# Altium PCB OCP-TimeCardMini-TI_V1.PcbDoc (part 1 of 11) (continued)
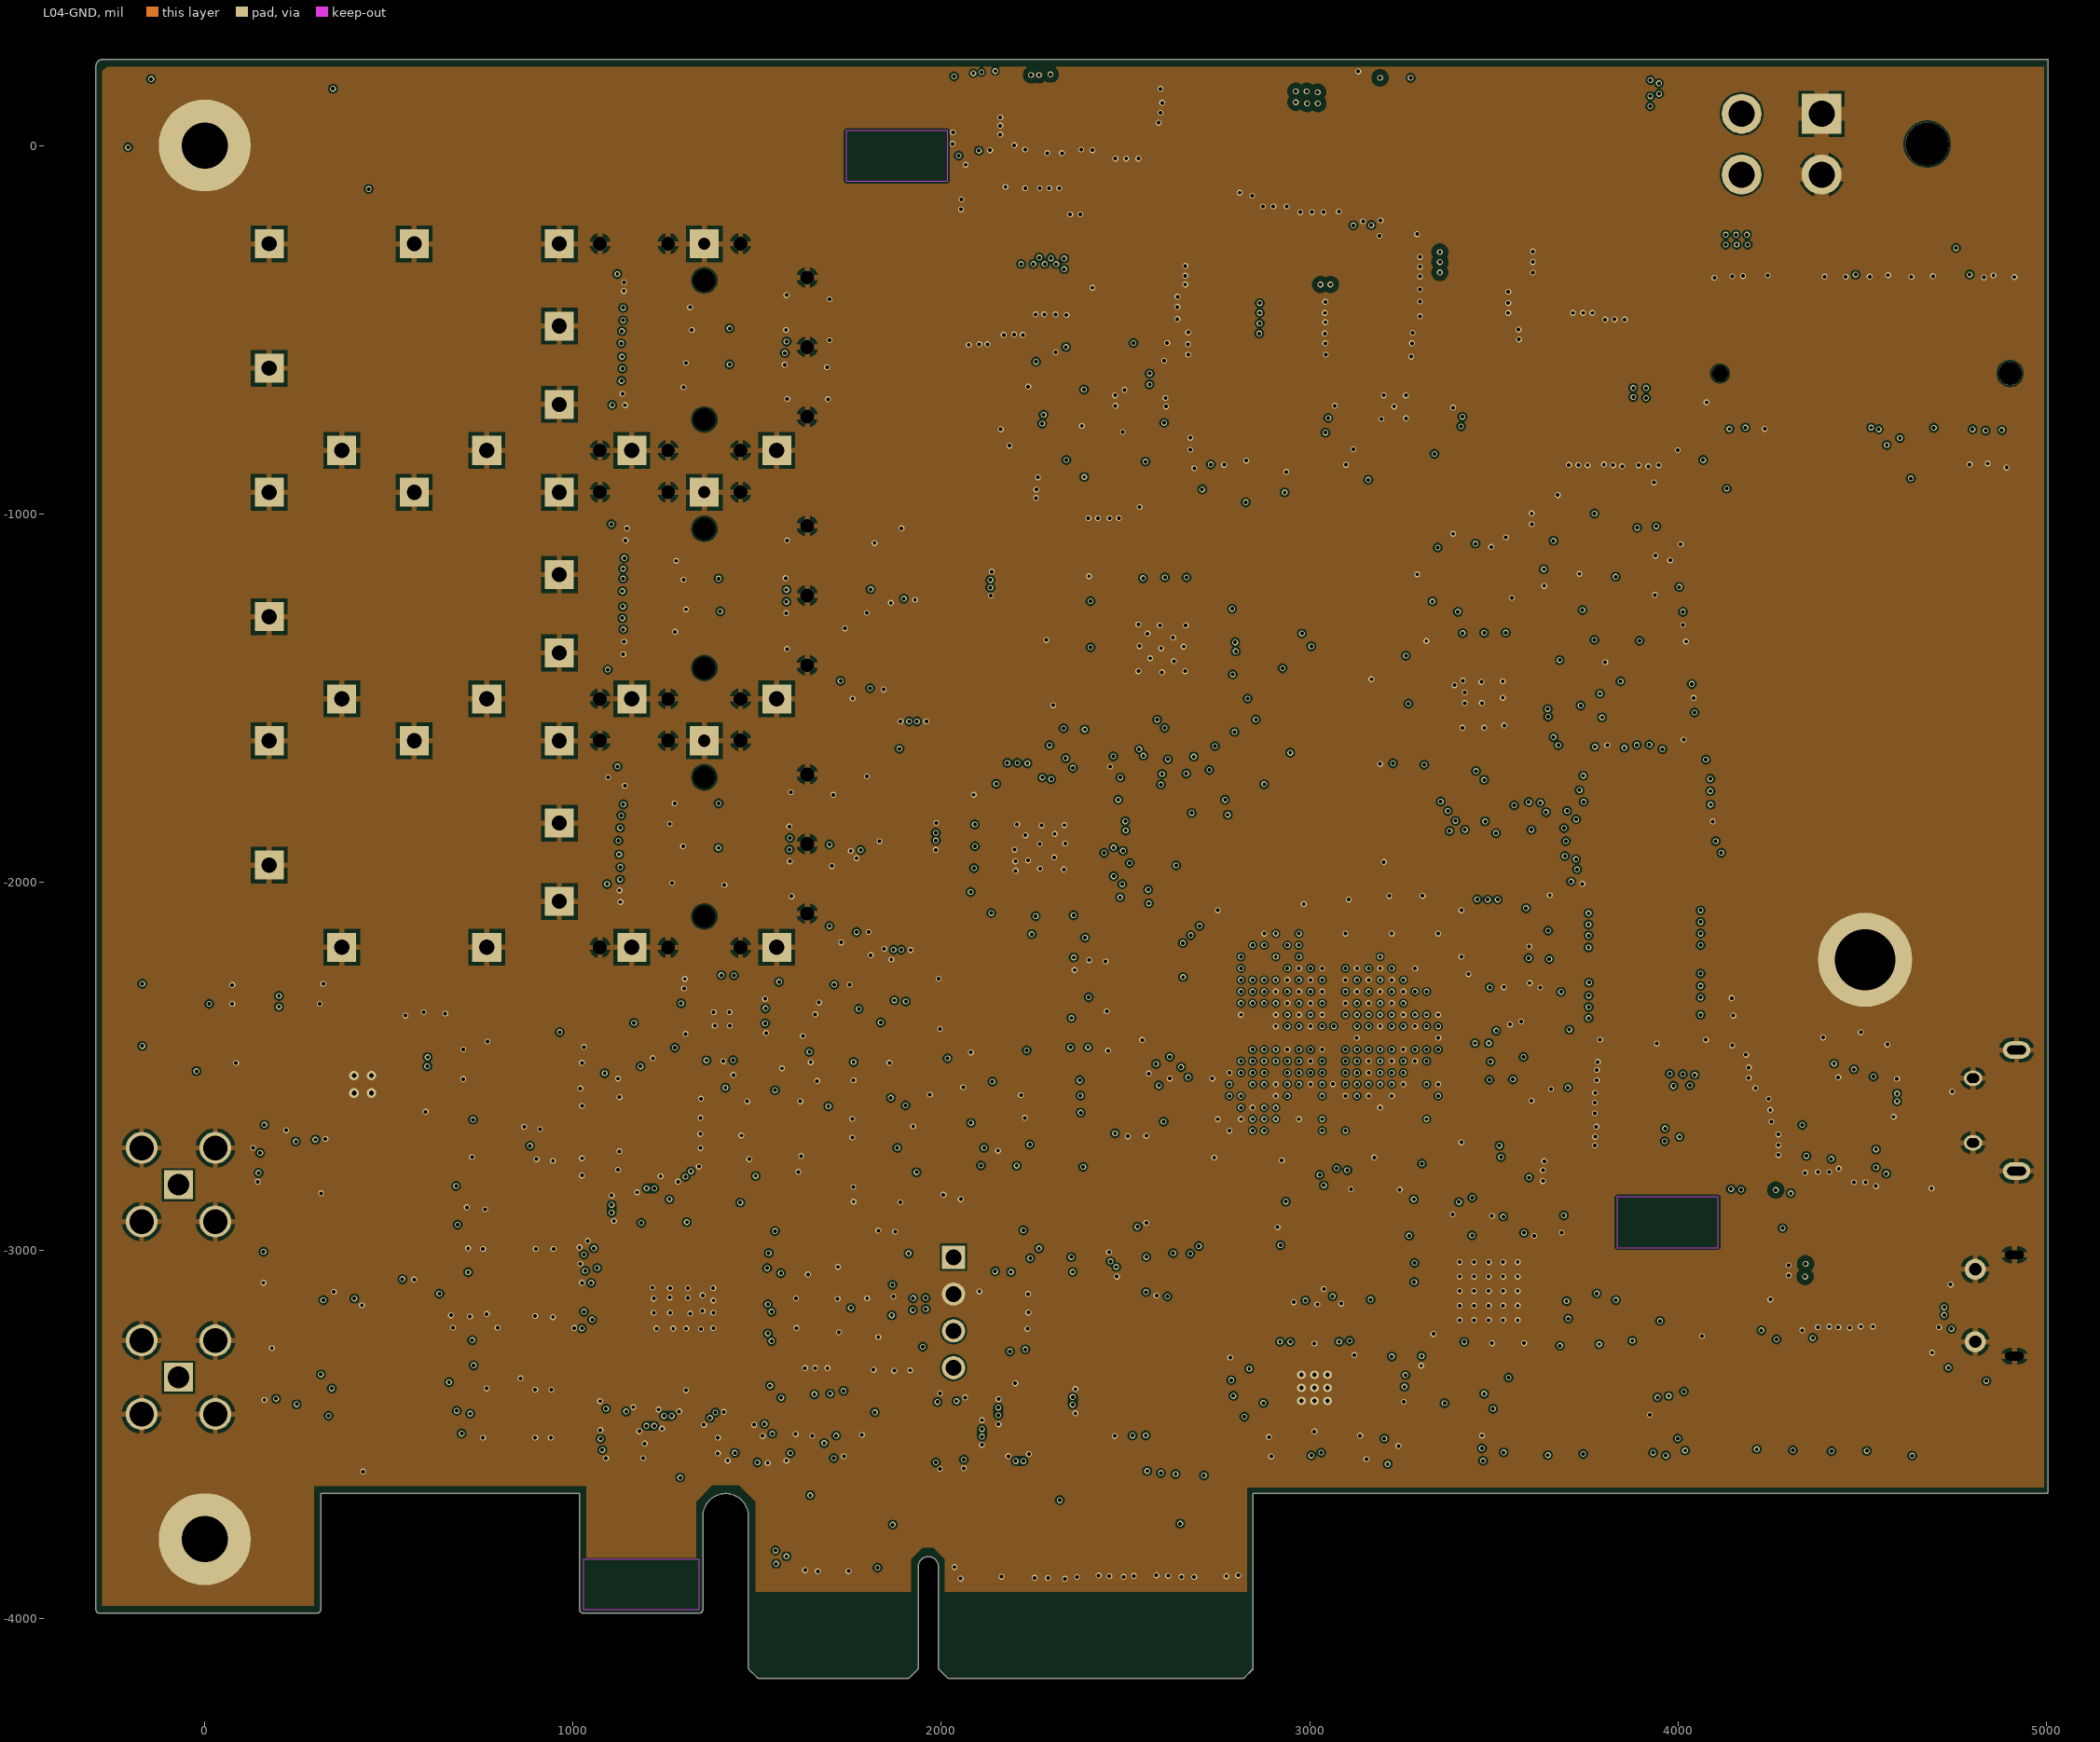
[diagram p4: L04-GND]
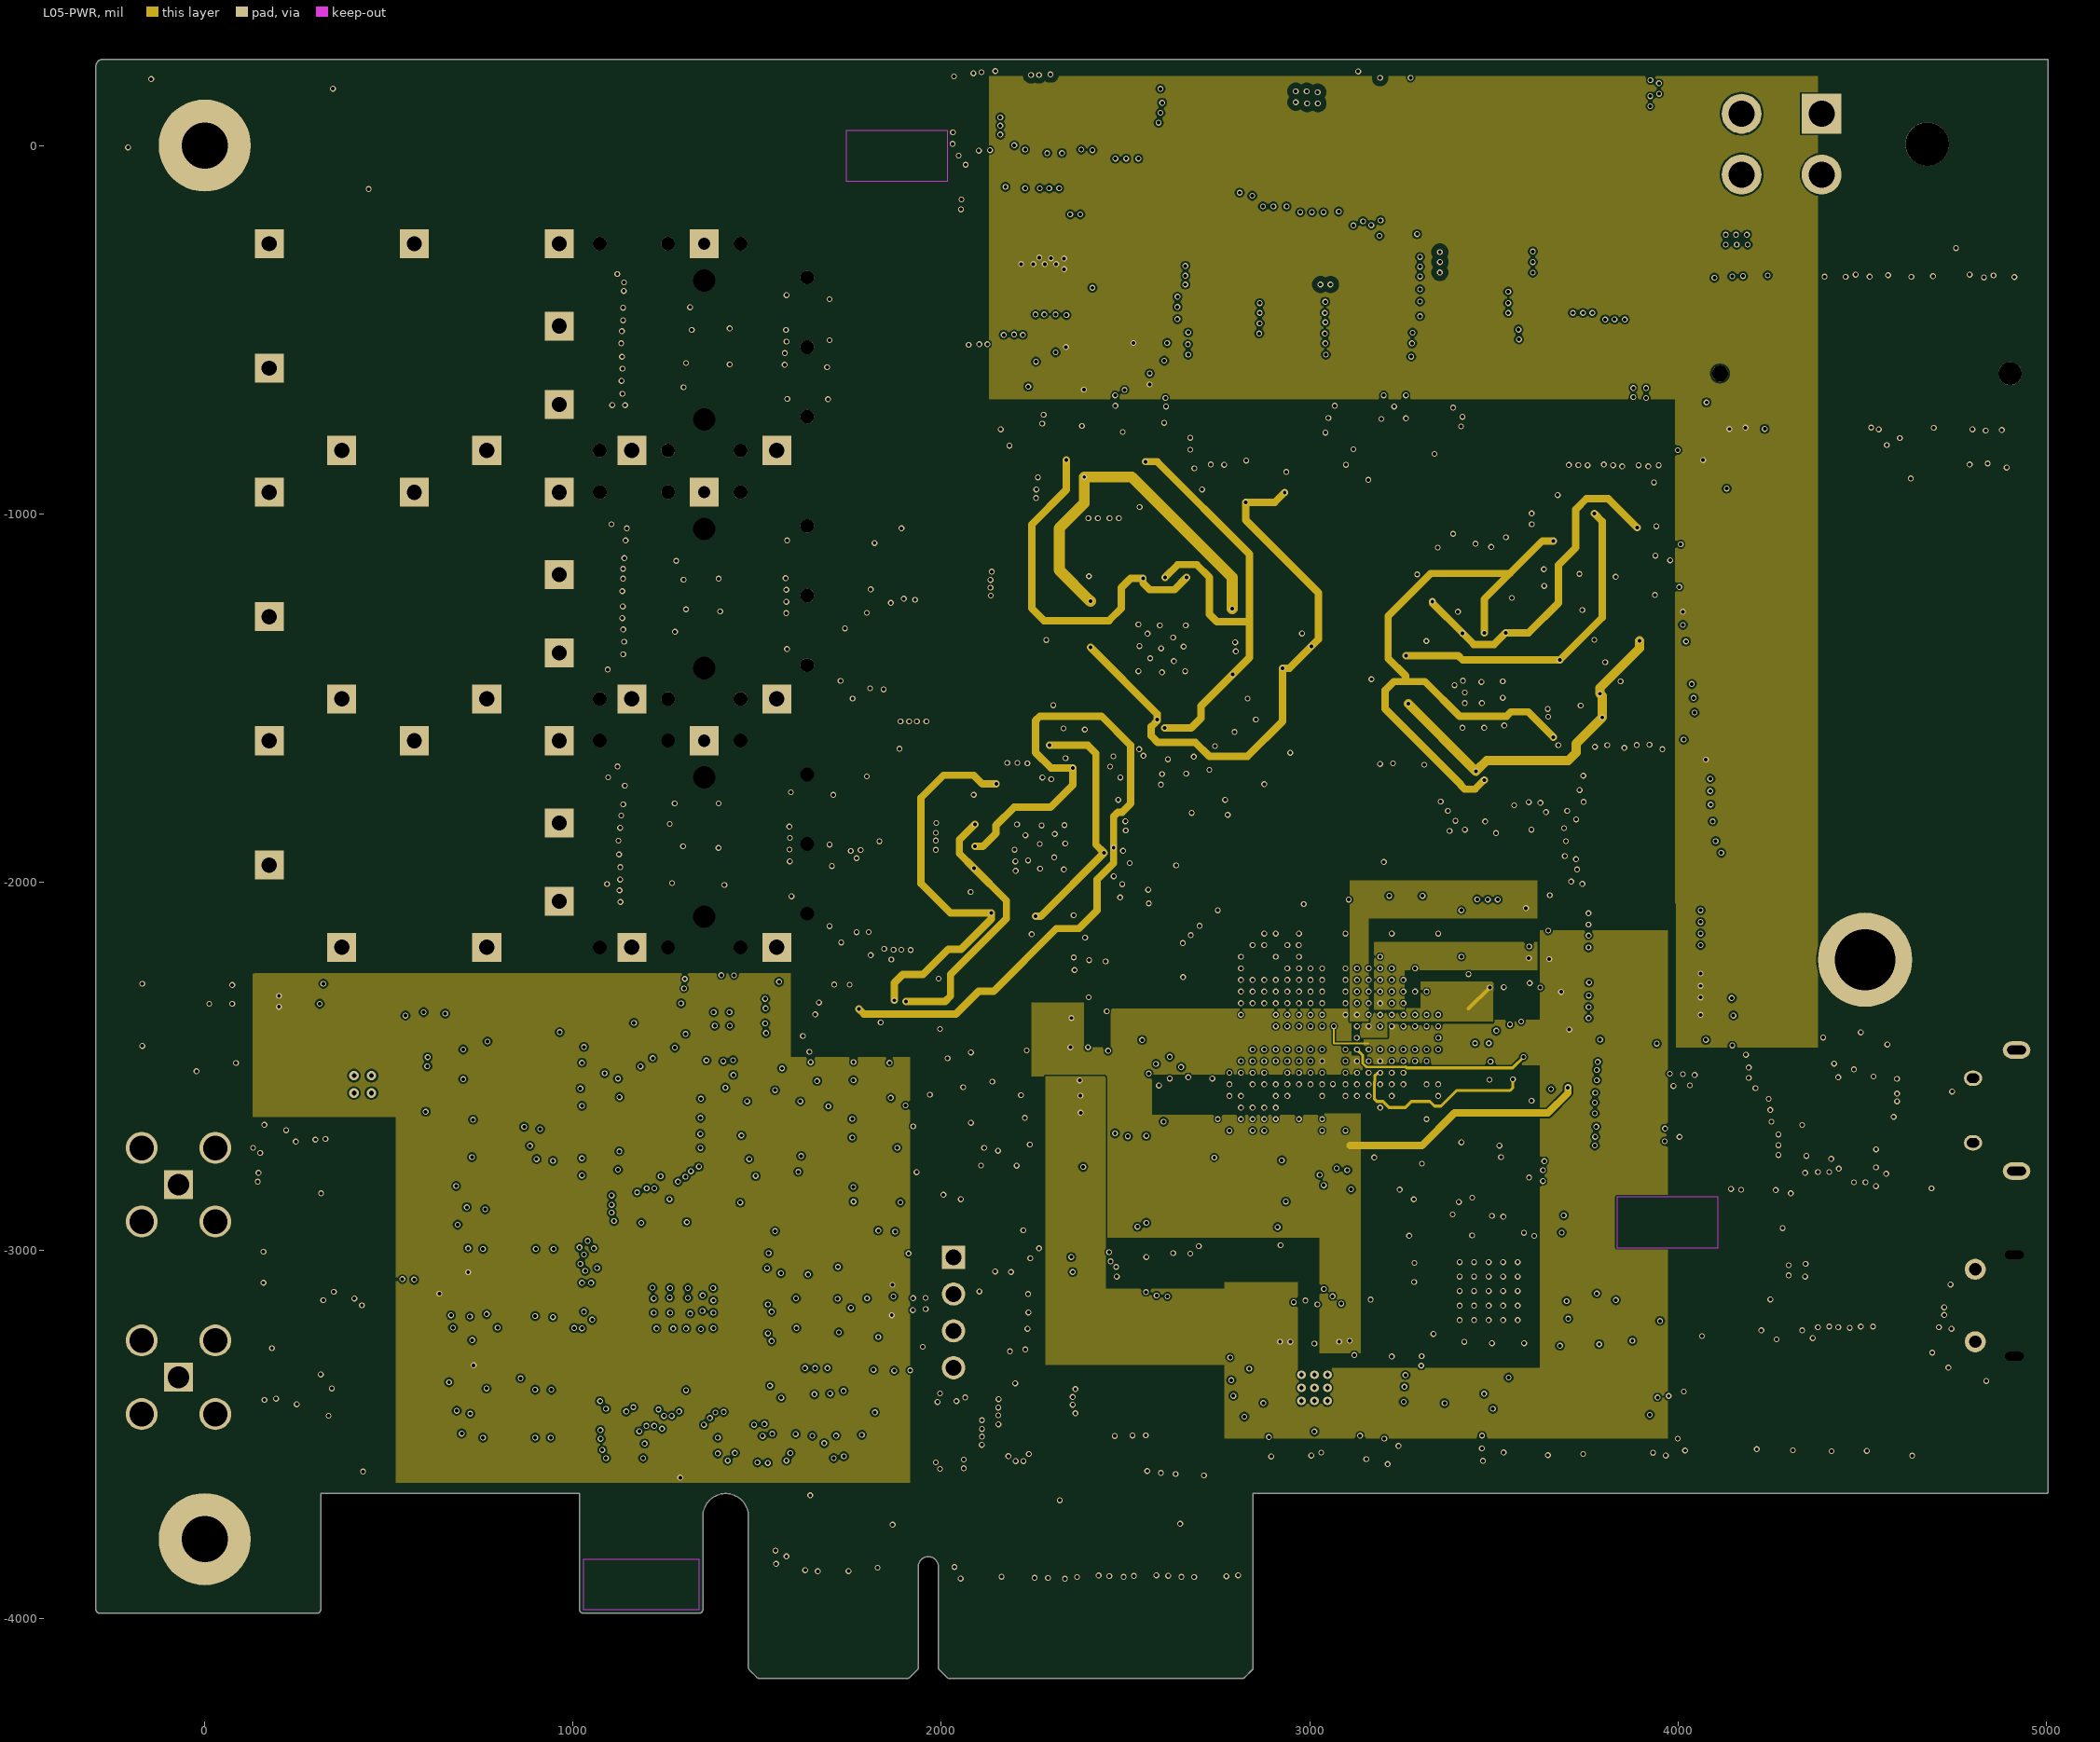
[diagram p5: L05-PWR]
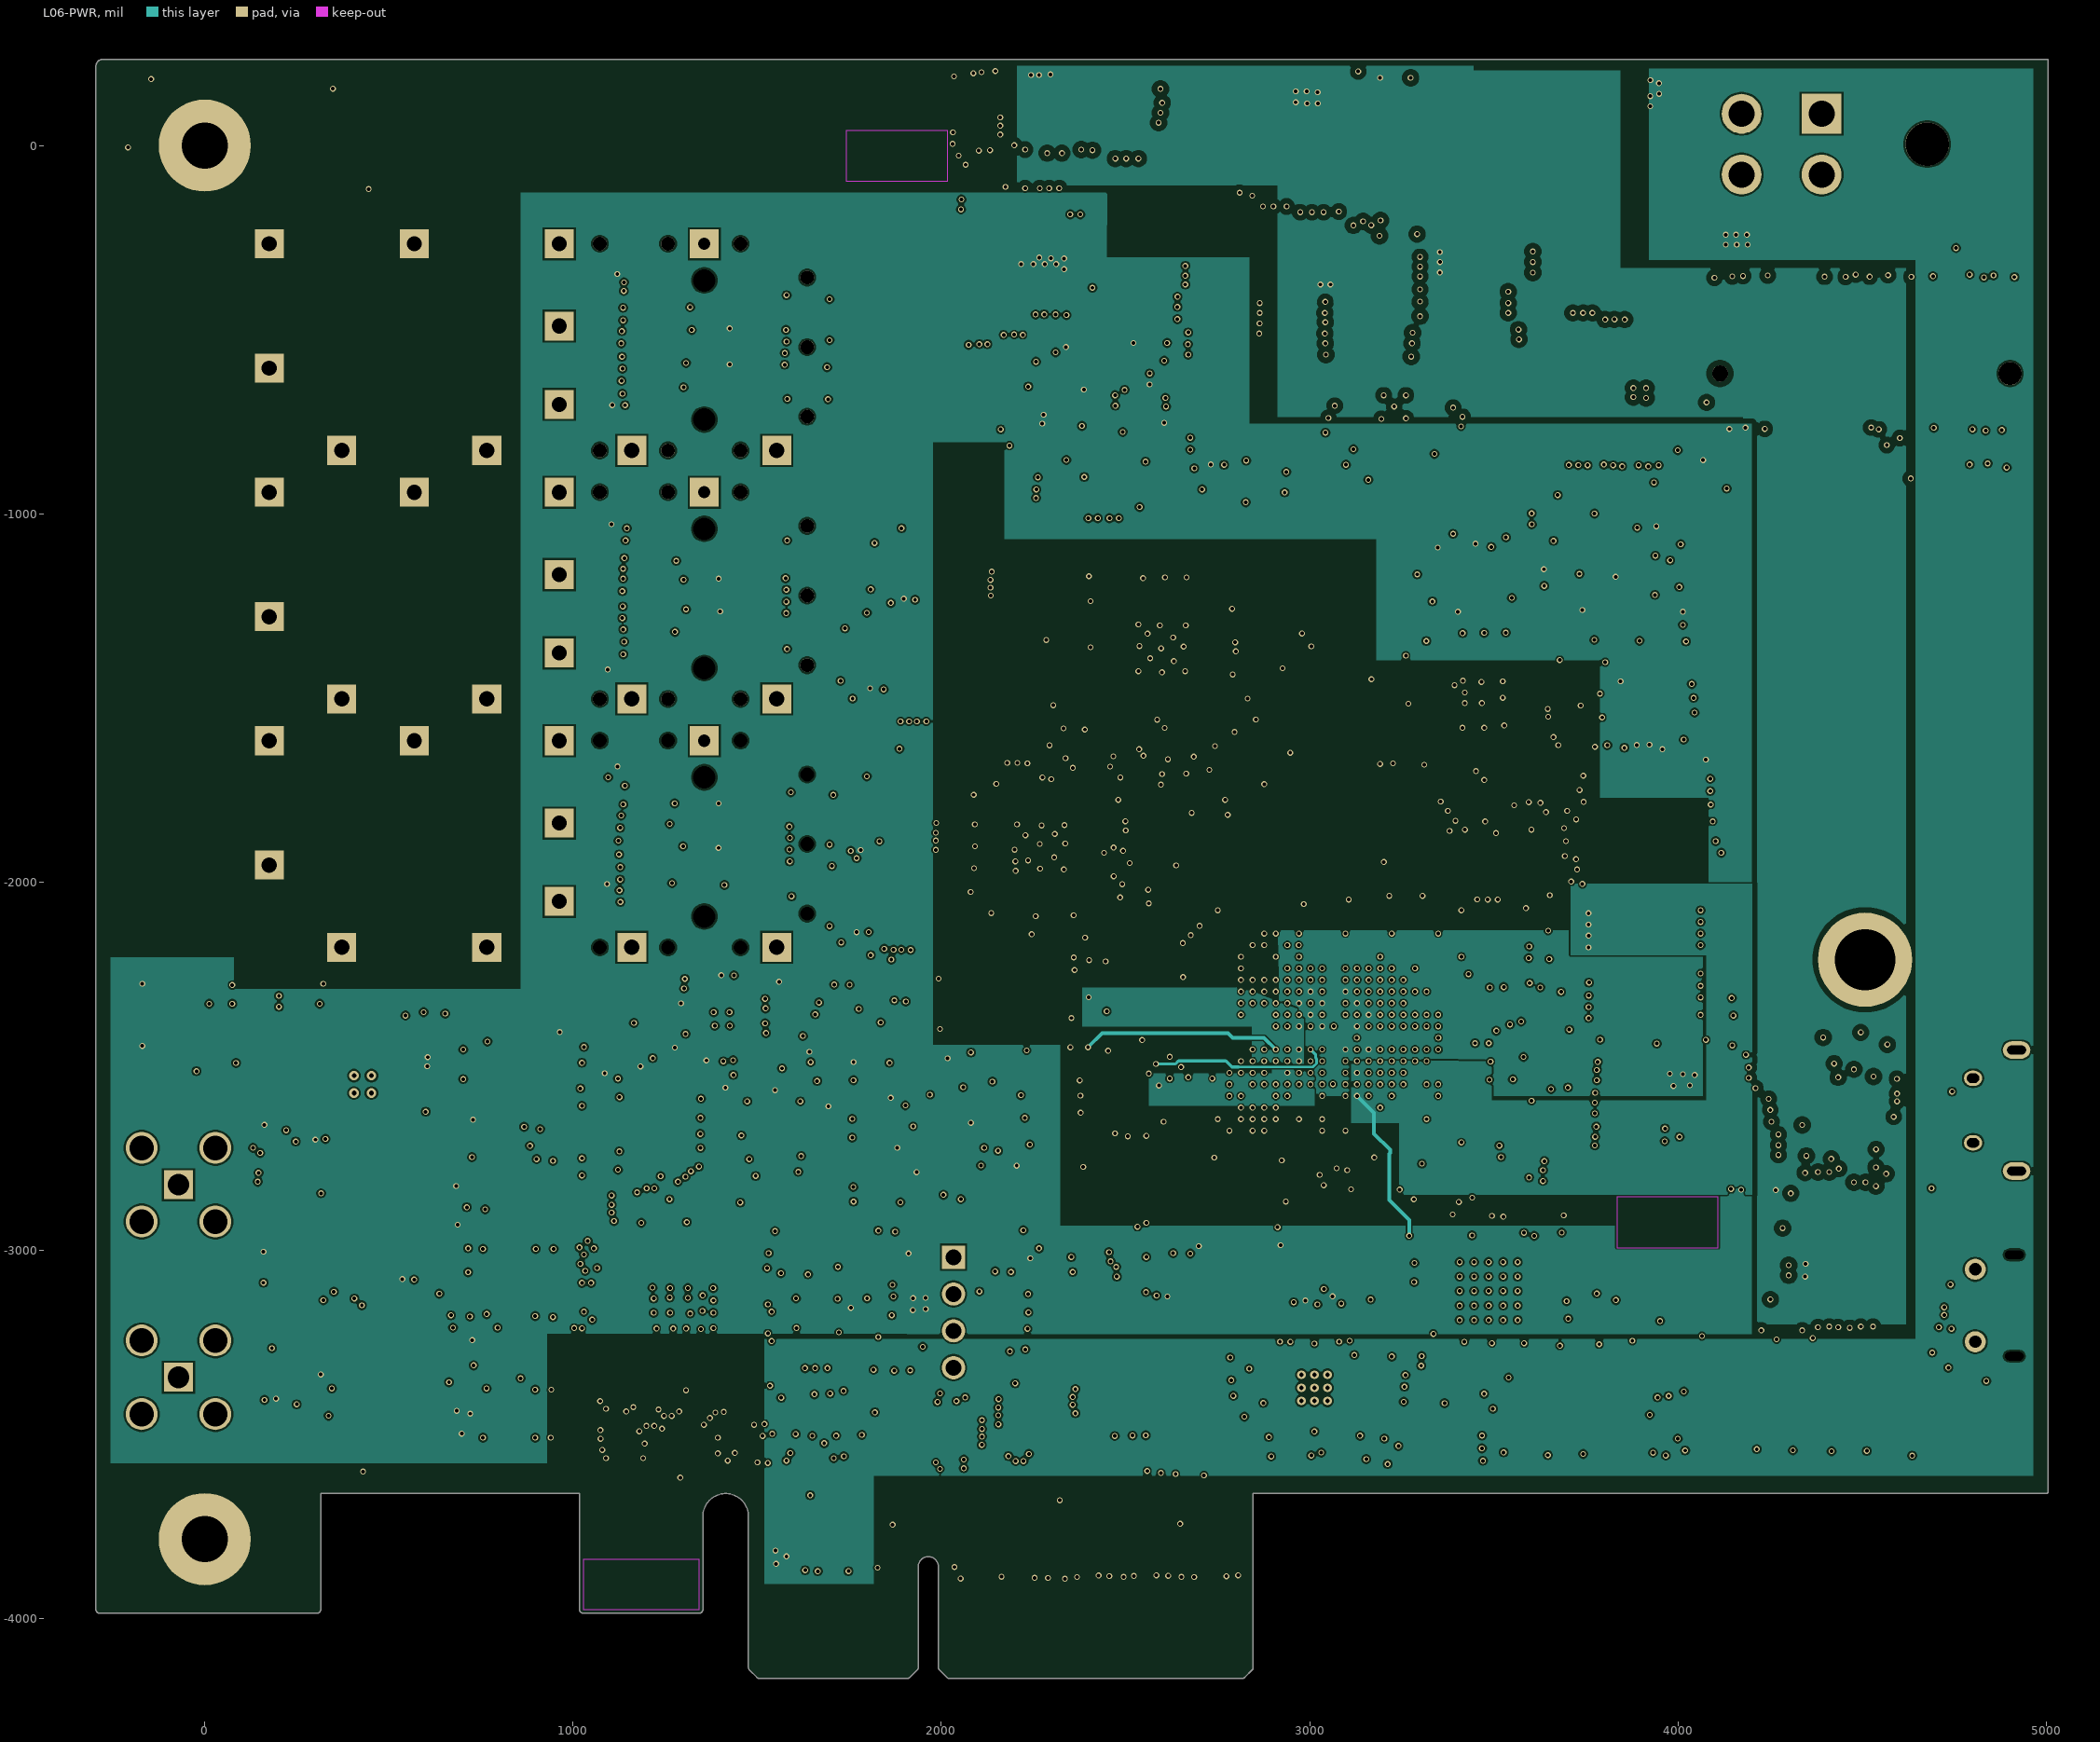
[diagram p6: L06-PWR]
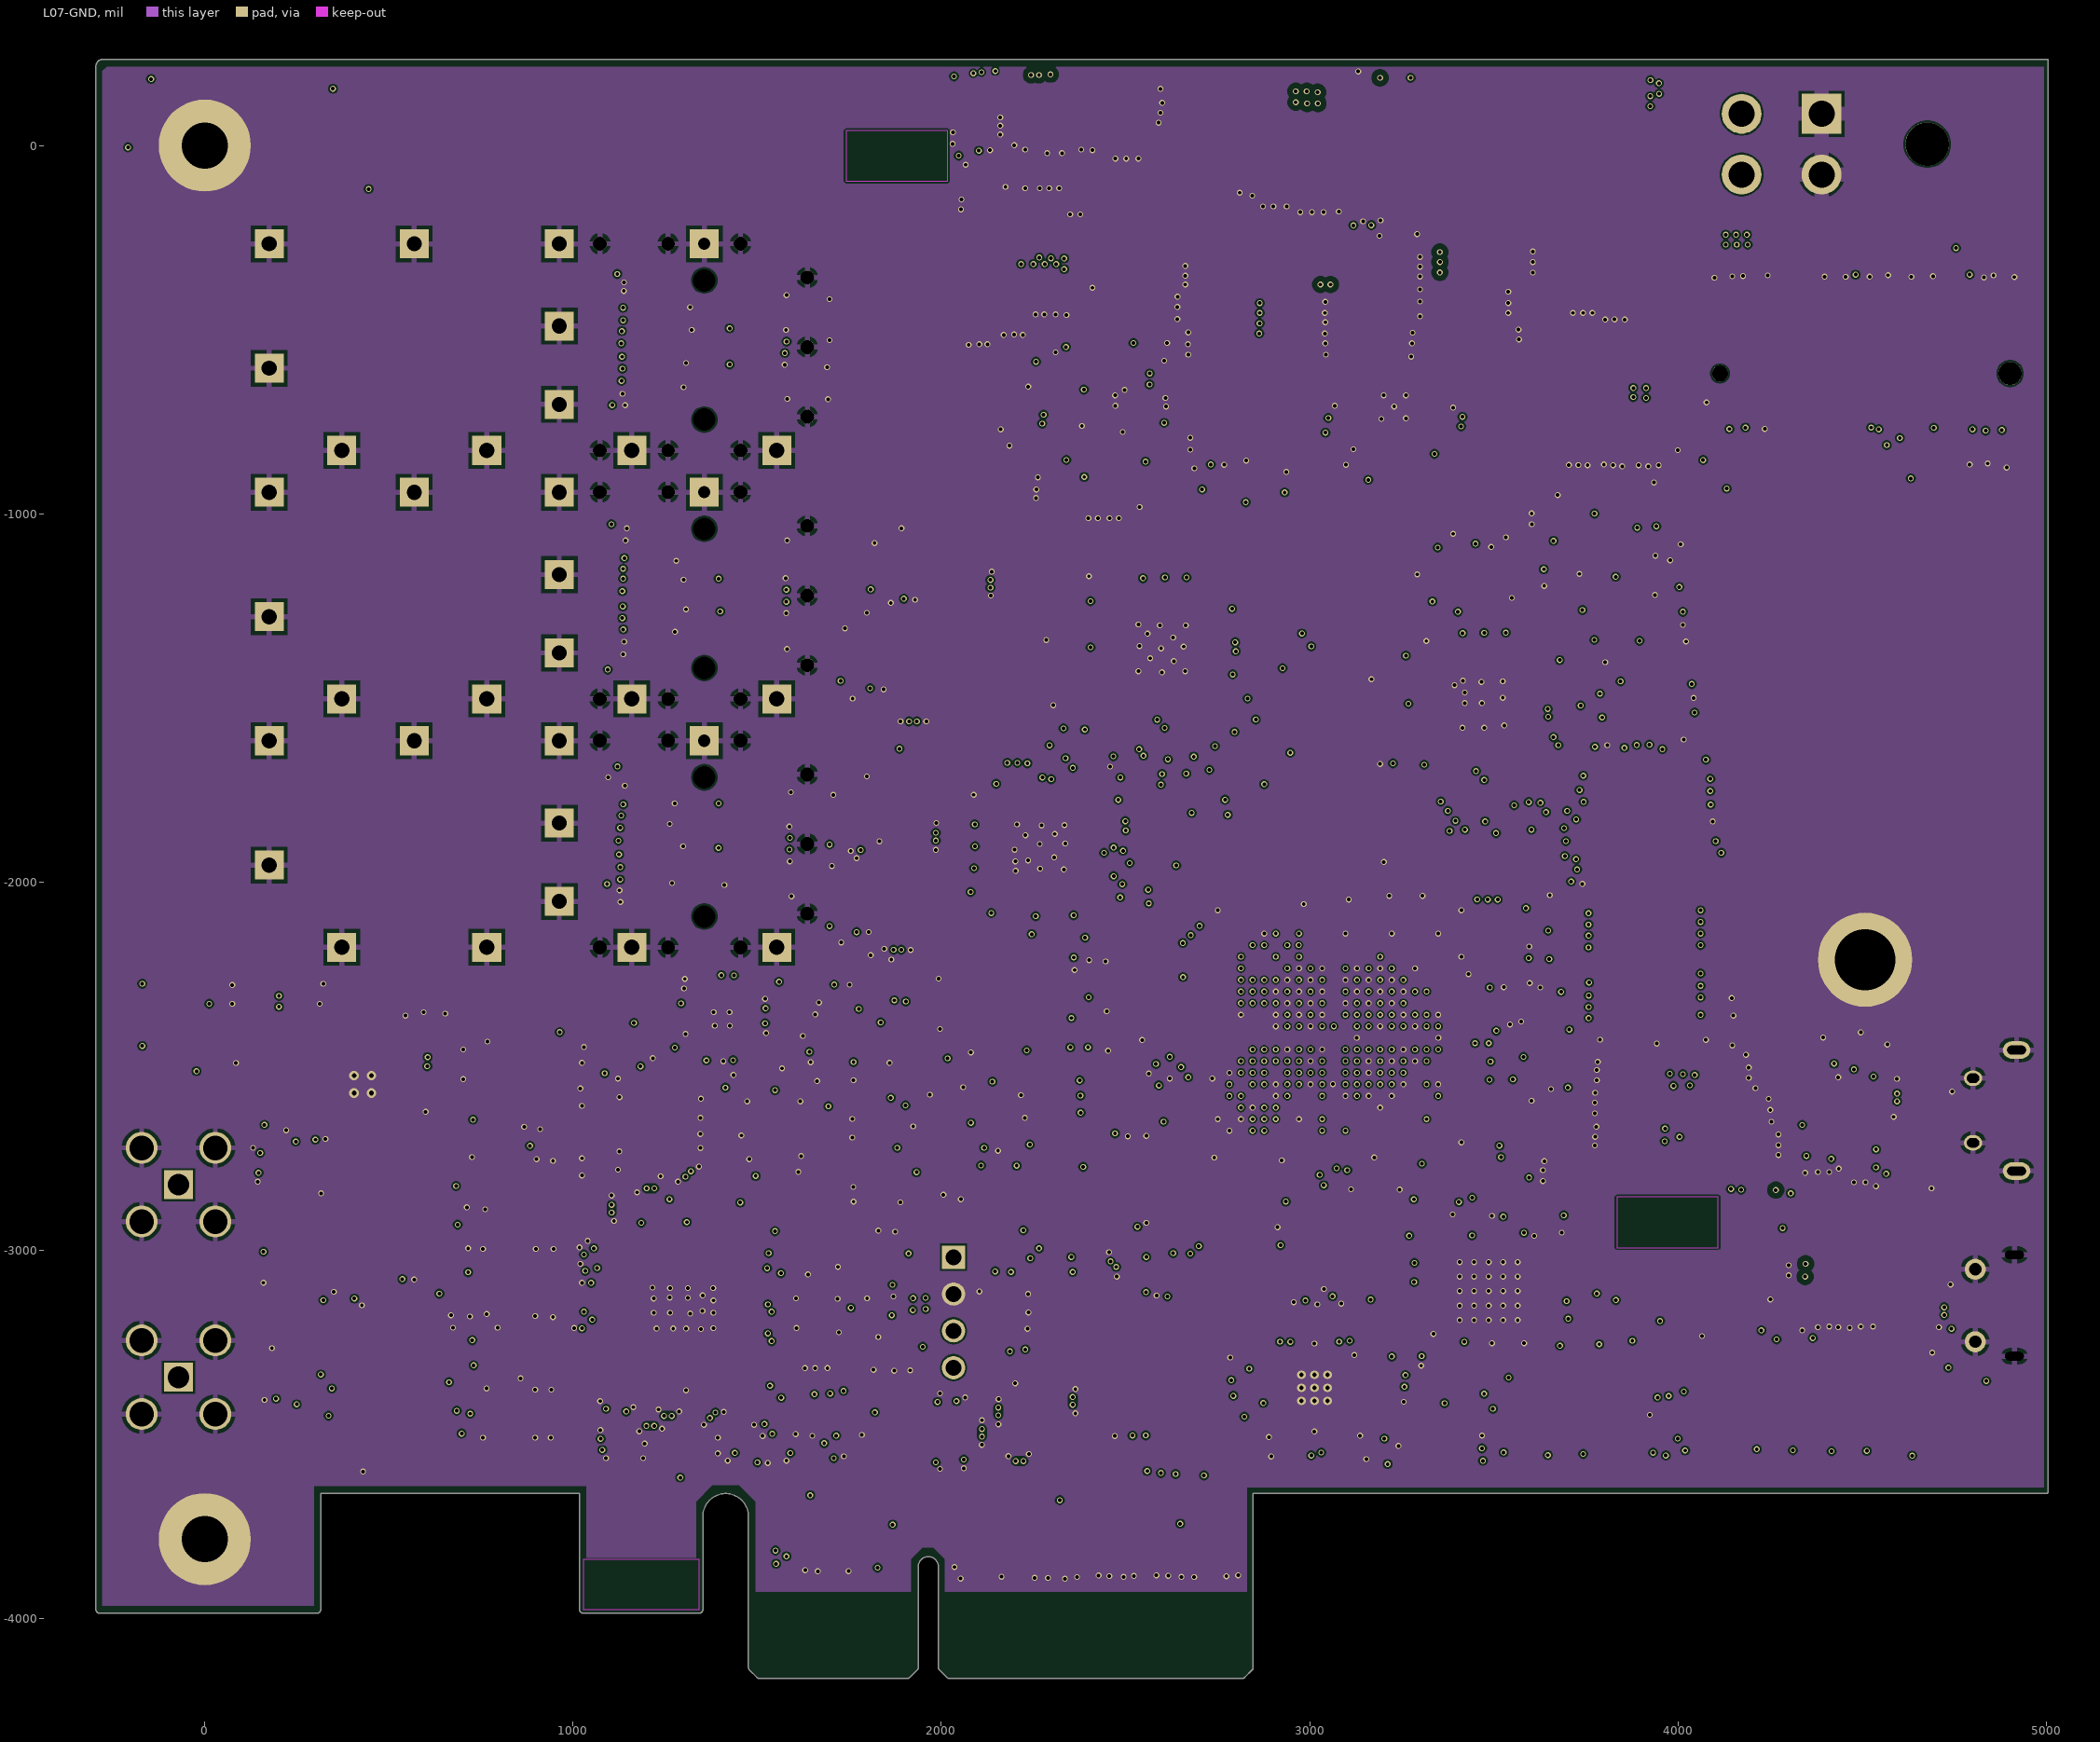
[diagram p7: L07-GND]